# Altium PCB M5_Display - copia.PcbDoc (part 2 of 2)
Units mil, origin at the board's own origin, x right, y up, seen from the top; angles counter-clockwise.
Board outline 2972.44 x 1771.65 mil, 4 copper layers (Top Layer, PWRS, GND, Bottom Layer), stack 61.19 mil thick; 166 components, 125 nets, 480 pads, 219 vias.
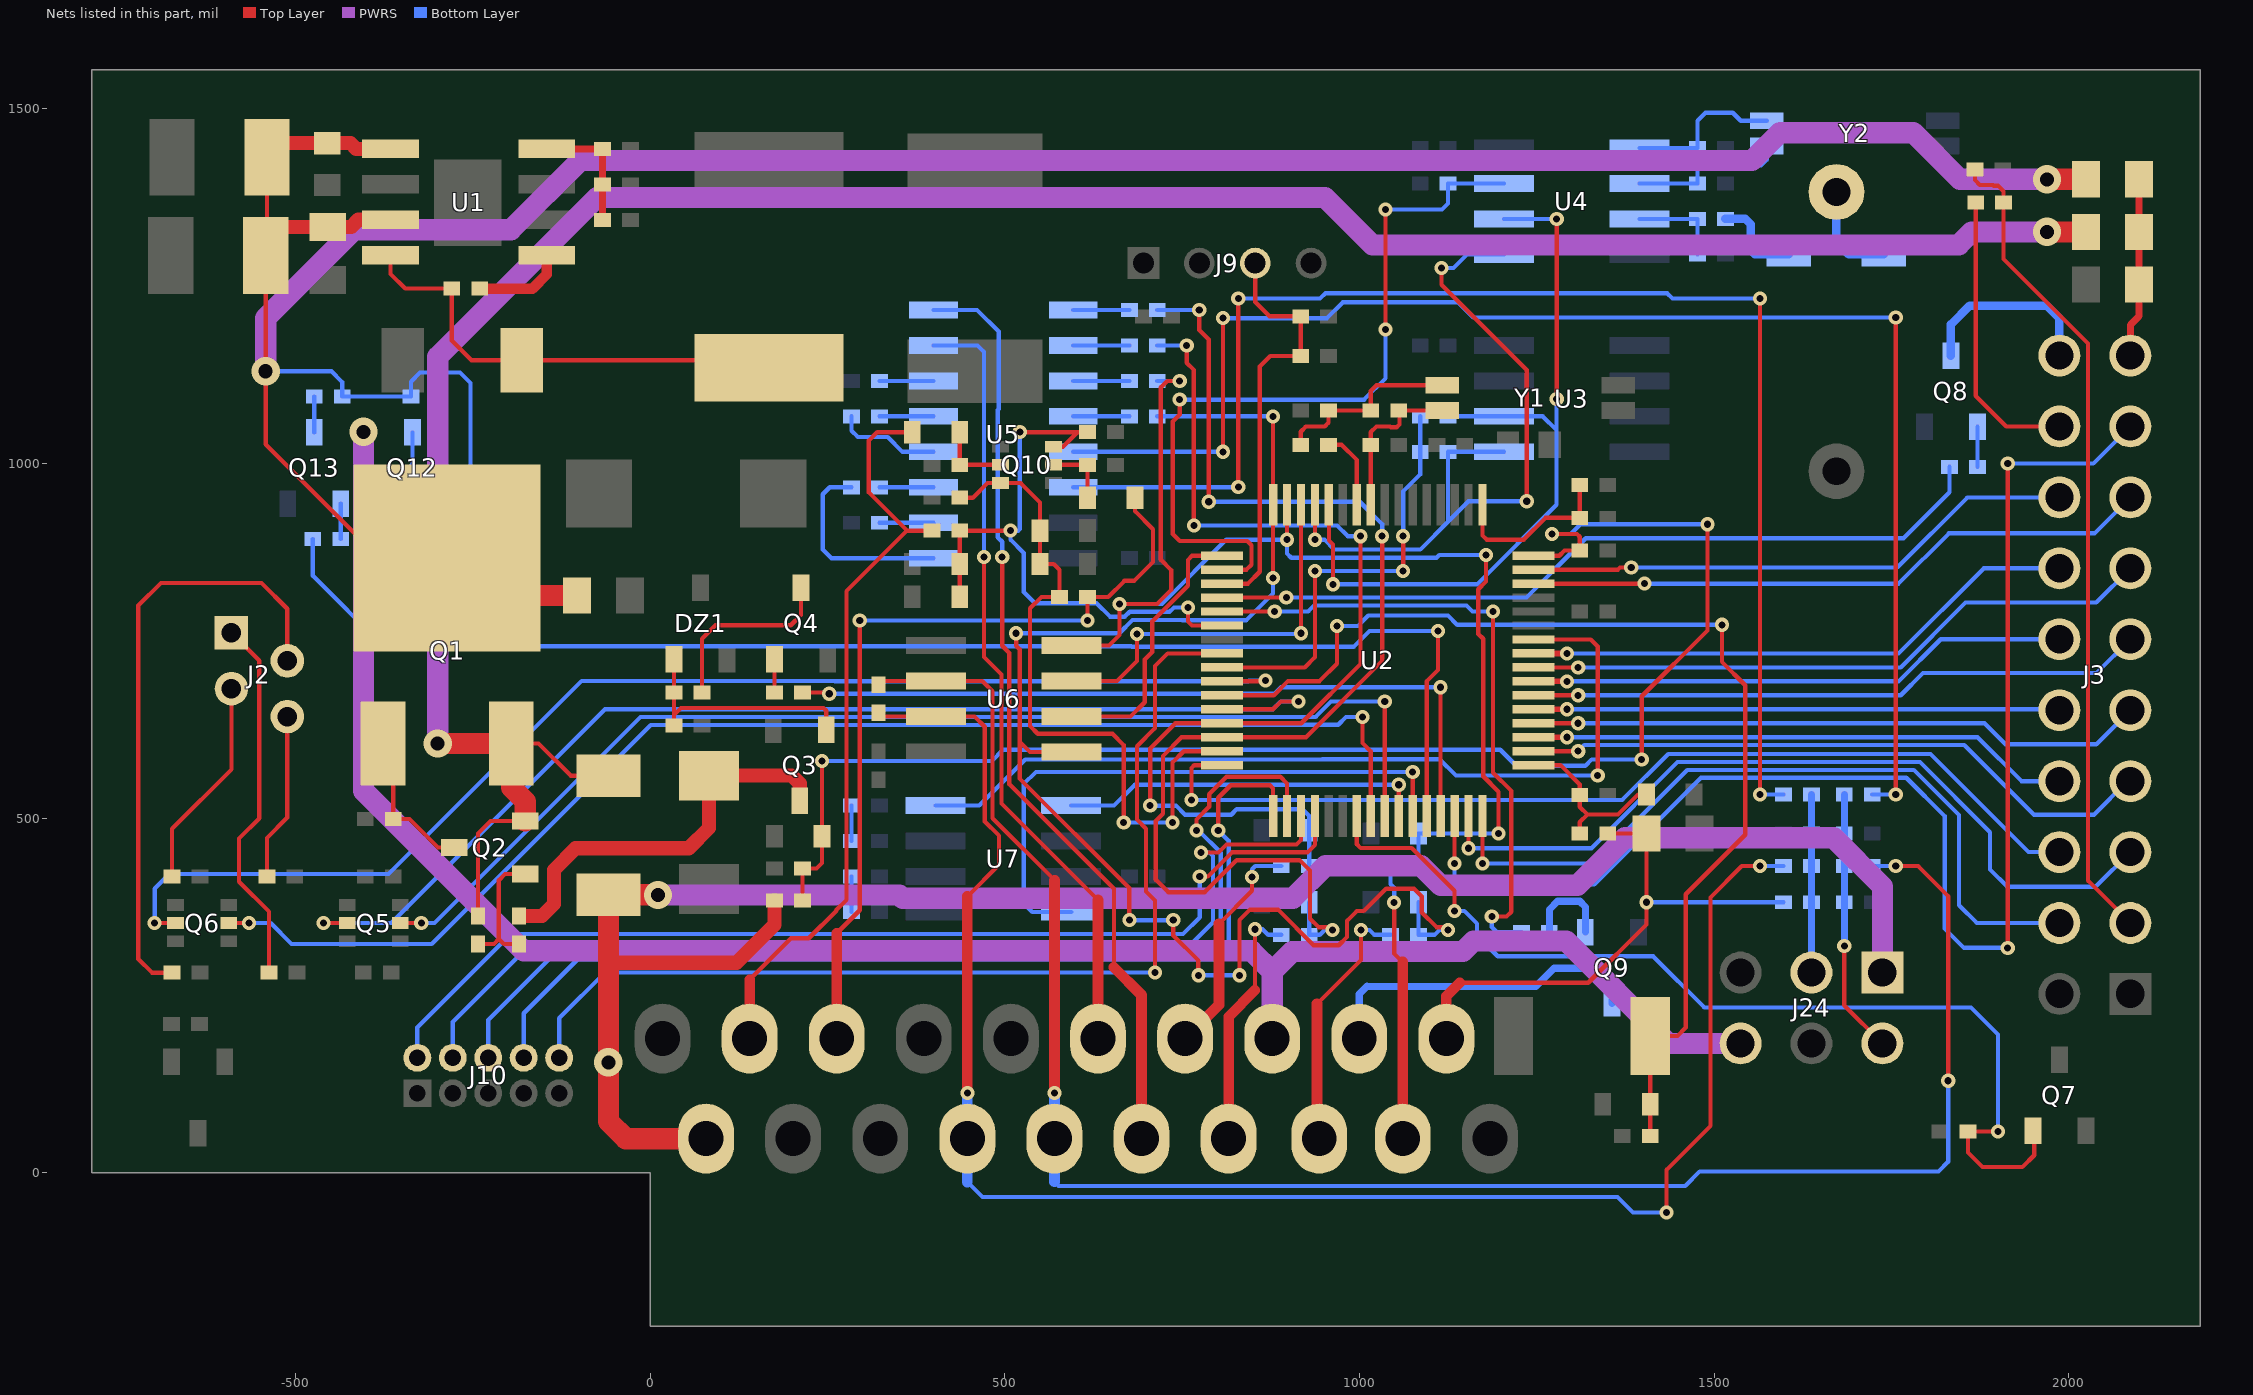
[diagram p4: the nets of this part, all layers, seen from the top]

## Via types
v1: diameter 20, hole 10, Top Layer to Bottom Layer, tented both sides, 212 vias
v2: diameter 40, hole 20, Top Layer to Bottom Layer, tented both sides, 7 vias

## Nets (pads, with @x,y where several pads share a name; then routed paths per layer and width w, separated by ;. In a path a pad name is that pad's centre, name@x,y a point inside that pad or via, vN(x,y) a via of type N, cw(c..) or ccw(c..) an arc to the next point about the centre after c; other vN are vias at no path point) (continued)
I2C_PU: R41.2 R42.2 U2.9 | length 610.6
  Top Layer w6: U2.9@806.11,712.62 922.53,712.62 937.01,727.1 v1(937.01,848.43) ; v1(1061.34,848.43) v1(1061.34,897.64)
  Bottom Layer w6: v1(937.01,848.43) v1(1061.34,848.43) ; v1(1061.34,897.64) 1061.34,960.68 1085.31,984.66 R42.2@1085.31,1016.54 R41.2@1085.31,1066.54
I2C_SCL: R41.1 U2.60 U3.6 U4.6 | length 1114.2
  Top Layer w6: U2.60@956.7,941.95 956.7,891.72 962.6,885.83 v1(962.6,829.72) ; v1(1277.81,1090.86) v1@1277.81,1344.8
  Bottom Layer w6: v1(962.6,829.72) 1165.35,829.72 1277.56,941.93 1277.56,1047.24 ; R41.1@1124.68,1066.54 U3.6@1203.39,1066.54 1258.27,1066.54 1277.56,1047.24 ; U4.6@1203.53,1344.87 v1(1277.81,1344.87) ; v1(1277.81,1090.86) 1277.56,1090.61 1277.56,1047.24
I2C_SDA: R42.1 U2.61 U3.5 U4.5 | length 1032.4
  Top Layer w6: v1@937.02,893.71 U2.61@937.02,941.95 ; v1(1115.48,1275.65) 1115.48,1252.02 1235.56,1131.94 v1(1235.56,946.91)
  Bottom Layer w6: v1(937.01,892.72) 950.36,892.72 964.14,878.94 1085.63,878.94 1124.68,917.99 ; v1(1115.48,1275.65) 1132.21,1275.65 1151.44,1294.87 U4.5@1203.53,1294.87 ; U3.5@1203.39,1016.54 R42.1@1124.68,1016.54 1124.68,917.99 ; v1(1235.56,946.91) 1153.6,946.91 1124.68,917.99
IN0: DZ7.2 J7.1 R31.1 | length 1171.3
  Top Layer w6: 262.79,337.8 295.28,370.29 v1(295.28,778.85) ; v1(616.39,778.85) 616.31,778.93 R31.1@616.31,812.01 645.67,812.01 668.31,834.65 682.09,834.65 708.74,861.3 708.74,907.41 683.24,932.9 DZ7.2@683.24,951.84
  Top Layer w15: J7.1@262.79,189.28 262.79,337.8
  Bottom Layer w6: v1(295.28,778.85) v1(616.39,778.85)
IN1: DZ6.2 J8.1 R32.1 | length 1073.4
  Top Layer w6: 140.01,272.37 198.41,330.76 223.42,330.76 262.06,369.4 262.06,370.39 276.57,384.9 276.57,820.09 361.89,905.41 ; DZ6.2@369.44,1044.18 319.77,1044.18 308.07,1032.48 308.07,959.23 361.89,905.41 ; R32.1@397,905.41 361.89,905.41
  Top Layer w15: J8.1@140.01,189.28 140.01,272.37
NetBAT1_1: BAT1.1 D7.1 | length 144.9
  Bottom Layer w12: BAT1.1@1672.24,1382.87 1672,1382.63 1672,1312.25 1689.38,1294.87 D7.1@1738.93,1294.87
NetC2_1: C2.1 U1.1 | length 129.6
  Top Layer w15: C2.1@-240.5,1246.65 -166.21,1246.65 -146.19,1266.68 U1.1@-146.19,1293.65
NetC2_2: C2.2 D2.2 L1.1 U1.8 | length 657.4
  Top Layer w6: U1.8@-366.19,1293.65 -366.19,1267.41 -345.43,1246.65 C2.2@-279.87,1246.65 -279.87,1173.57 -251.97,1145.67 D2.2@-181.1,1145.67 156.71,1145.67 L1.1@167.32,1135.06
NetC7_1: C7.1 R10.1 R11.2 U1.4 | length 178.9
  Top Layer w10: U1.4@-146.19,1443.65 R11.2@-67.28,1443.65 C7.1@-67.28,1393.65 R10.1@-67.28,1343.65
NetC9_1: C9.1 DZ4.2 R25.2 U2.33 | length 249.8
  Top Layer w6: U2.33@1245.09,574.83 1283.01,574.83 1310.31,547.52 C9.1@1310.31,532.48 1310.31,516.03 1321.11,505.23 ; R25.2@1310.31,478.35 1310.31,494.43 1321.11,505.23 ; DZ4.2@1404.53,533.46 1392.66,533.46 1364.42,505.23 1321.11,505.23
NetC10_1: C10.1 DZ6.1 Q10.2 | length 100.3
  Top Layer w6: DZ6.1@436.37,1044.18 436.37,1003.1 441.19,998.28 493.5,998.28 Q10.2@493.6,998.18
NetC11_1: C11.1 DZ7.1 Q10.5 | length 94.4
  Top Layer w6: Q10.5@568.4,998.18 616.22,998.18 C11.1@616.31,998.28 DZ7.1@616.31,951.84
NetC18_1: C18.1 R39.1 R40.1 Y1.4 | length 271.4
  Top Layer w6: R39.1@916.91,1026.46 916.91,1044.83 924.21,1052.13 950.75,1052.13 956.28,1057.66 C18.1@956.28,1074.97 R40.1@1015.76,1074.97 1015.76,1102.37 1023.79,1110.4 Y1.4@1116.58,1110.4
NetC19_1: C19.1 R40.2 U2.57 Y1.1 | length 229.6
  Top Layer w6: U2.57@1015.76,941.95 C19.1@1015.76,1026.46 1015.76,1044.26 1023.62,1052.13 1043.35,1052.13 1044.29,1051.18 1052.17,1051.18 1056.1,1055.12 1056.1,1073.99 R40.2@1055.13,1074.97 Y1.1@1116.58,1074.97
NetC21_1: C21.1 U4.1 Y2.1 | length 227.1
  Bottom Layer w6: U4.1@1394.47,1444.87 C21.1@1476.31,1444.87 1476.31,1483.2 1487.73,1494.62 1526.05,1494.62 1537.4,1483.27 Y2.1@1573.82,1483.27
NetC22_1: C22.1 U4.2 Y2.4 | length 224.2
  Bottom Layer w6: U4.2@1394.47,1394.87 C22.1@1476.31,1394.87 1476.31,1414.31 1482.28,1420.28 1565.94,1420.28 1573.82,1428.15 Y2.4@1573.82,1447.83
NetC23_1: C23.1 R44.1 U4.3 | length 131.8
  Bottom Layer w6: U4.3@1394.47,1344.87 R44.1@1476.31,1344.87 C23.1@1476.31,1294.87
NetC26_2: C26.2 U5.2 | length 76.3
  Bottom Layer w6: C26.2@323.13,916.54 U5.2@399.4,916.54
NetC27_1: C27.1 U5.4 | length 148.2
  Bottom Layer w6: C27.1@283.76,1066.54 283.76,1046.26 292.61,1037.4 334.65,1037.4 355.51,1016.54 U5.4@399.4,1016.54
NetC27_2: C27.2 U5.5 | length 76.3
  Bottom Layer w6: C27.2@323.13,1066.54 U5.5@399.4,1066.54
NetC28_1: C28.1 U5.1 | length 283.9
  Bottom Layer w6: C28.1@283.76,966.54 252.95,966.54 243.11,956.69 243.11,878.94 255.51,866.54 U5.1@399.4,866.54
NetC28_2: C28.2 U5.3 | length 76.3
  Bottom Layer w6: C28.2@323.13,966.54 U5.3@399.4,966.54
NetC29_1: C29.1 U5.6 | length 76.3
  Bottom Layer w6: C29.1@323.13,1116.54 U5.6@399.4,1116.54
NetC31_2: C31.2 R54.1 | length 50
  Bottom Layer w6: R54.1@283.76,467.94 C31.2@283.76,517.94
NetC32_2: C32.2 R55.1 | length 50
  Bottom Layer w6: C32.2@283.76,367.94 R55.1@283.76,417.94
NetC33_2: C33.2 DZ3.2 R5.1 R9.2 U2.48 | length 2118.8
  Top Layer w6: R5.1@214.57,383.86 R9.2@214.57,429.13 234.25,429.13 242.13,437.01 DZ3.2@242.13,474.41 v1(242.13,580.76) ; U2.48@1245.09,870.1 1281.52,870.1 1288.88,877.46 C33.2@1310.31,877.46 1310.31,896.75 1306.42,900.65 v1(1270.99,900.65) ; v1(1397.64,582.73) 1397.64,671.92 1490.48,764.76 v1(1490.48,914.43)
  Bottom Layer w6: v1(242.13,580.76) 481.62,580.76 497.37,596.51 1198.15,596.51 1220.79,573.87 1318.23,573.87 1327.09,582.73 v1(1397.64,582.73) ; v1(1270.99,900.65) 1297.56,900.65 1311.34,914.43 v1(1490.48,914.43)
NetD3_1: D3.1 D5.2 Q10.3 R31.2 R33.2 U2.15 | length 985.3
  Top Layer w6: R33.2@436.37,951.84 454.74,951.84 475.48,972.59 Q10.3@493.6,972.59 522.06,972.59 549.39,945.26 D5.2@549.39,905.41 D3.1@549.39,858.44 568.72,858.44 576.94,850.22 R31.2@576.94,812.01 551.45,812.01 535.43,796 535.43,629.92 546.26,619.09 651.57,619.09 667.32,603.35 v1(667.32,494.09) ; v1(736.22,494.09) 736.22,578.74 751.99,594.51 U2.15@806.11,594.51
  Bottom Layer w6: v1(667.32,494.09) v1(736.22,494.09)
NetD4_1: D4.1 D6.2 Q10.6 R30.2 R32.2 U2.6 | length 869.3
  Top Layer w6: D6.2@436.37,812.01 D4.1@436.37,858.44 R32.2@436.37,905.41 v1(507.87,905.41) ; v1(520.92,1044.6) 521.33,1044.18 602.19,1044.18 ; Q10.6@568.4,1023.77 581.78,1023.77 602.19,1044.18 ; R30.2@616.31,1044.18 602.19,1044.18 ; v1(757.87,797.24) 757.87,777.56 763.76,771.68 U2.6@806.11,771.68
  Bottom Layer w6: v1(520.92,1044.6) 520.92,907.73 518.6,905.41 v1(507.87,905.41) 507.87,892.72 526.57,874.02 526.57,818.9 542.32,803.15 628.94,803.15 647.92,784.17 668.87,784.17 675.87,791.17 732.11,791.17 738.19,797.24 v1(757.87,797.24)
NetD7_2: D7.2 R44.2 | length 131.4
  Bottom Layer w6: D7.2@1604.67,1295.28 D7.2@1605.07,1294.87
  Bottom Layer w12: R44.2@1515.68,1344.87 1543.91,1344.87 1551.18,1337.6 1551.18,1301.18 1557.09,1295.28 D7.2@1604.67,1295.28
NetDZ1_1: DZ1.1 Q3.1 R4.1 R7.2 | length 340.4
  Top Layer w6: R7.2@33.46,630.91 33.46,645.67 ; DZ1.1@33.46,724.41 R4.1@33.46,677.17 33.46,645.67 ; Q3.1@248.03,625 248.03,651.57 244.09,655.51 43.31,655.51 33.46,645.67
NetDZ2_2: DZ2.2 Q3.2 R3.1 | length 577.9
  Top Layer w20: R3.1@-185.04,362.2 -152.56,362.2 -135.83,378.94 -135.83,427.17 -105.32,457.68 54.13,457.68 82.68,486.22 DZ2.2@82.68,560.04 199.37,560.04 210.63,548.78 Q3.2@210.63,524.61
NetDZ5_2: DZ5.2 R26.1 R27.1 U2.11 | length 1599.8
  Top Layer w6: U2.11@806.11,673.25 879.09,673.25 899.06,693.22 943.35,693.22 967.96,717.83 v1(967.96,770.98) ; R26.1@1409.77,52.22 DZ5.2@1409.77,96.51 R27.1@1409.77,192.97 1448.02,192.97 1459.88,204.83 1459.88,392.82 1543.74,476.69 1543.74,687.55 1510.83,720.47 v1(1510.83,772.64)
  Bottom Layer w6: v1(967.96,770.98) 997.48,770.98 1012.25,785.74 1124.45,785.74 1137.56,772.64 v1(1510.83,772.64)
NetJ2_1: J2.1 R12.2 | length 524.6
  Top Layer w6: J2.1@-590.53,761.34 -551.18,721.99 -551.18,500 -579.72,471.46 -579.72,410.43 -537.6,368.31 R12.2@-537.6,282.28
NetJ2_2: J2.2 R13.2 | length 865.5
  Top Layer w6: R13.2@-674.21,282.28 -702.56,282.28 -721.9,301.63 -721.9,799.75 -689.96,831.69 -548.23,831.69 -511.79,795.26 J2.2@-511.79,721.97
NetJ2_3: J2.3 R14.2 | length 299.1
  Top Layer w6: R14.2@-674.21,418.11 -674.21,485.24 -590.53,568.92 J2.3@-590.53,682.6
NetJ2_4: J2.4 R15.2 | length 237
  Top Layer w6: R15.2@-540.55,418.11 -540.55,472.24 -511.79,501 J2.4@-511.79,643.23
NetJ3_4: J3.4 U2.32 | length 1098.8
  Top Layer w6: v1(1173.23,436.02) U2.32@1173.24,502.98
  Bottom Layer w6: v1(1173.23,436.02) 1329.72,436.02 1461.79,568.09 1781.32,568.09 1845.04,504.37 1845.04,377.4 1870.16,352.28 J3.4@1986.61,352.28
NetJ3_5: J3.5 U2.31 | length 1154.8
  Top Layer w6: v1(1153.54,457.68) U2.31@1153.55,502.98 U2.31@1155.24,501.29
  Bottom Layer w6: v1(1153.54,457.68) 1326.77,457.68 1448.18,579.09 1790.01,579.09 1888.78,480.32 1888.78,427.72 1912.96,403.54 2037.87,403.54 J3.5@2086.61,452.28
NetJ3_6: J3.6 U2.16 | length 1398.2
  Top Layer w6: v1(762.8,525.59) 762.8,570.87 766.76,574.83 U2.16@806.11,574.83
  Bottom Layer w6: v1(762.8,525.59) 1370.08,525.59 1435.04,590.55 1804.69,590.55 1942.96,452.28 J3.6@1986.61,452.28
NetJ3_7: J3.7 U2.34 | length 905.5
  Top Layer w6: U2.34@1245.09,594.51 v1(1308.13,594.51)
  Bottom Layer w6: v1(1308.13,594.51) 1316.82,603.2 1852.51,603.2 1950.79,504.92 2035.43,504.92 2082.8,552.28 J3.7@2086.61,552.28
NetJ3_8: J3.8 U2.35 | length 767.2
  Top Layer w8: U2.35@1245.09,614.2 v1(1292.32,614.2)
  Bottom Layer w6: v1(1292.32,614.2) 1871.04,614.2 1932.95,552.28 J3.8@1986.61,552.28
NetJ3_9: J3.9 U2.36 | length 873.6
  Top Layer w6: U2.36@1245.09,633.88 v1(1308.13,633.88)
  Bottom Layer w6: v1(1308.13,633.88) 1880.88,633.88 1910.43,604.33 2038.66,604.33 J3.9@2086.61,652.28
NetJ3_10: J3.10 U2.37 | length 742.1
  Top Layer w8: U2.37@1245.09,653.57 v1(1292.32,653.57)
  Bottom Layer w6: v1(1292.32,653.57) 1985.33,653.57 J3.10@1986.61,652.28
NetJ3_11: J3.11 U2.38 | length 874.3
  Top Layer w6: U2.38@1245.09,673.25 v1(1308.13,673.25)
  Bottom Layer w6: v1(1308.13,673.25) 1762.82,673.25 1794.29,704.72 2039.05,704.72 J3.11@2086.61,752.28
NetJ3_12: J3.12 U2.39 | length 766.1
  Top Layer w8: U2.39@1245.09,692.94 v1(1292.32,692.94)
  Bottom Layer w6: v1(1292.32,692.94) 1759.87,692.94 1819.21,752.28 J3.12@1986.61,752.28
NetJ3_13: J3.13 U2.40 | length 899.4
  Top Layer w6: U2.40@1245.09,712.62 v1(1308.13,712.62)
  Bottom Layer w6: v1(1308.13,712.62) 1762.82,712.62 1854.33,804.13 2038.46,804.13 J3.13@2086.61,852.28
NetJ3_14: J3.14 U2.41 | length 791.2
  Top Layer w8: U2.41@1245.09,732.31 v1(1292.32,732.31)
  Bottom Layer w6: v1(1292.32,732.31) 1759.87,732.31 1879.84,852.28 J3.14@1986.61,852.28
NetJ3_15: J3.15 U2.46 | length 891.9
  Top Layer w6: U2.46@1245.09,830.73 v1(1401.57,830.73)
  Bottom Layer w6: v1(1401.57,830.73) 1759.87,830.73 1830.71,901.57 2035.91,901.57 J3.15@2086.61,952.28
NetJ3_16: J3.16 U2.47 | length 783.7
  Top Layer w6: U2.47@1245.09,850.42 1364.2,850.42 1367.17,853.39 v1(1382.87,853.39)
  Bottom Layer w6: v1(1382.87,853.39) 1757.92,853.39 1856.81,952.28 J3.16@1986.61,952.28
NetJ3_17: J3.17 U2.30 | length 2001.3
  Top Layer w6: v1(1133.87,436.02) U2.30@1133.87,502.98 ; v1(1913.63,317.24) 1913.63,999.98 v1(1913.71,1000.06)
  Bottom Layer w6: v1(1133.87,436.02) 1133.87,418.3 1145.67,406.5 1330.71,406.5 1481.3,557.09 1770.67,557.09 1824.8,502.95 1824.8,344.49 1852.05,317.24 v1(1913.63,317.24) ; v1(1913.71,1000.06) 2034.39,1000.06 J3.17@2086.61,1052.28
NetJ3_19: J3.19 R21.1 R22.1 R23.1 | length 253.4
  Top Layer w10: J3.19@2086.61,1152.28 2086.61,1195.6 2098.78,1207.76 R21.1@2098.78,1252.46 R22.1@2098.78,1326.56 R23.1@2098.78,1400.65
NetJ3_20: J3.20 Q8.2 | length 267.6
  Bottom Layer w12: Q8.2@1833.6,1152.28 1833.6,1196.06 1860,1222.46 1969,1222.46 1986.61,1204.85 J3.20@1986.61,1152.28
NetJ5_1: J5.1 R25.1 R28.2 R66.2 | length 760
  Top Layer w6: 1141.19,268.02 1322.29,268.02 1404.53,350.26 v1(1404.53,381.53) R28.2@1404.53,478.35 R25.1@1349.68,478.35
  Top Layer w15: J5.1@1122.29,189.28 1122.29,249.12 1141.19,268.02
  Bottom Layer w6: v1(1404.53,381.53) R66.2@1597.67,381.53
NetJ6_1: J6.1 Q9.2 | length 476.2
  Bottom Layer w6: 1010.28,263.1 1010.53,262.85
  Bottom Layer w10: J6.1@999.45,189.28 999.45,252.28 1010.28,263.1 ; 1010.53,262.85 1248.35,262.85 1273.94,288.44 1342.84,288.44 1355.63,275.65 Q9.2@1355.63,239.07
NetQ1_1: Q1.1 Q2.2 R8.2 | length 214.9
  Top Layer w6: Q1.1@-376.97,605.32 -362.4,590.75 R8.2@-362.4,499.02 -339.57,499.02 -299.21,458.66 Q2.2@-276.57,458.66
NetQ2_1: Q2.1 R2.1 R3.2 | length 187.5
  Top Layer w6: R2.1@-243.11,322.83 -220.47,322.83 -213.58,329.72 ; R3.2@-185.04,322.83 -206.69,322.83 -213.58,329.72 ; Q2.1@-176.18,421.26 -204.72,421.26 -213.58,412.4 -213.58,329.72
NetQ4_1: Q4.1 R6.2 | length 47.2
  Top Layer w6: R6.2@175.2,677.17 Q4.1@175.2,724.41
NetQ4_2: Q4.2 R4.2 | length 267.8
  Top Layer w6: R4.2@72.83,677.17 72.83,753.01 91.78,771.96 198.08,771.96 212.6,786.48 Q4.2@212.6,824.8
NetQ5_2: Q5.2 U2.12 | length 1649.1
  Top Layer w6: v1(-460.63,352.17) Q5.2@-427.36,352.17 ; U2.12@806.11,653.57 877.92,653.57 889.03,664.68 v1(913.63,664.68)
  Bottom Layer w6: v1(-460.63,352.17) -365.35,352.17 -63.95,653.57 877.78,653.57 888.89,664.68 v1(913.63,664.68)
NetQ5_5: Q5.5 U2.25 | length 1678.8
  Top Layer w6: Q5.5@-352.56,352.17 v1(-322.83,352.17) ; U2.25@1035.44,502.98 v1(1035.43,664.43)
  Bottom Layer w6: v1(-322.83,352.17) -304.33,352.17 -13.93,642.57 882.34,642.57 882.49,642.72 937.99,642.72 959.7,664.43 v1(1035.43,664.43)
NetQ6_2: Q6.2 U2.10 | length 1827.9
  Top Layer w6: v1(-698.82,352.17) Q6.2@-669.29,352.17 ; U2.10@806.11,692.94 866.43,692.94 v1(867.45,693.95)
  Bottom Layer w6: v1(-698.82,352.17) -698.82,400.59 -678.15,421.26 -369.09,421.26 -96.85,693.5 259.67,693.5 260.21,692.97 842.84,692.97 843.82,693.95 v1(867.45,693.95)
NetQ6_5: Q6.5 U2.24 | length 1887.8
  Top Layer w6: Q6.5@-594.49,352.17 v1(-565.94,352.17) ; v1(1003.94,642.77) 1003.94,606.06 1015.76,594.24 U2.24@1015.76,502.98
  Bottom Layer w6: v1(-565.94,352.17) -535.24,352.17 -505.91,322.83 -308.07,322.83 0.66,631.57 886.9,631.57 887.05,631.72 969.81,631.72 980.86,642.77 v1(1003.94,642.77)
NetQ7_1: Q7.1 R20.1 U2.23 | length 1434
  Top Layer w6: U2.23@996.07,502.98 996.07,463.34 1001.42,457.98 1073.51,457.98 1133.87,397.63 v1(1133.87,369.09) ; v1(1900.04,58.38) 1899.96,58.46 R20.1@1857.68,58.46 1857.68,28.7 1878.2,8.18 1934.3,8.18 1951.04,24.91 1951.04,57.45 Q7.1@1949.21,59.27
  Bottom Layer w6: v1(1133.87,369.09) 1147.64,369.09 1165.35,351.38 1165.35,334.76 1194.69,305.43 1413.82,305.43 1485.98,233.27 1861.97,233.27 1900.04,195.19 v1(1900.04,58.38)
NetQ8_1: Q8.1 R24.1 | length 56.4
  Bottom Layer w6: R24.1@1871,995.46 Q8.1@1871,1051.89
NetQ9_1: Q9.1 R29.1 | length 126.4
  Bottom Layer w10: R29.1@1267.47,339.46 1267.47,371.54 1278.86,382.93 1310.36,382.93 1318.23,375.06 Q9.1@1318.23,339.46
NetQ12_1: Q12.1 R57.1 | length 151
  Bottom Layer w6: Q12.1@-298.02,943.57 R57.1@-298.02,1094.57
NetQ13_1: Q13.1 R62.1 | length 50
  Bottom Layer w6: R62.1@-436.43,893.57 Q13.1@-436.43,943.57
NetQ13_2: Q13.2 R60.1 | length 50.6
  Bottom Layer w6: Q13.2@-473.83,1043.96 R60.1@-473.83,1094.57
NetR6_1: R6.1 U2.29 | length 1085.8
  Top Layer w6: R6.1@214.57,677.17 250.56,677.17 v1(252.22,675.5) ; U2.29@1114.18,502.98 v1(1114.18,684.68)
  Bottom Layer w6: v1(252.22,675.5) 252.28,675.57 879.98,675.57 889.09,684.68 v1(1114.18,684.68)
NetR24_2: R24.2 U2.4 | length 1122.9
  Top Layer w6: U2.4@806.11,811.05 v1(896.65,811.05)
  Bottom Layer w6: v1(896.65,811.05) 1235.26,811.05 1318.9,894.68 1766.73,894.68 1831.63,959.58 R24.2@1831.63,995.46
NetR29_2: R29.2 U2.5 | length 901.7
  Top Layer w6: U2.5@806.11,791.36 v1(880.24,791.43) v1(880.24,791.43) ; v1(1186.34,361.28) 1207.01,361.28 1213.9,368.17 1213.9,538.26 1187.99,564.17 v1@1187.99,785.81
  Bottom Layer w6: v1(880.24,791.43) 927.39,791.43 936,800.05 1150.5,800.05 1159.15,791.39 1182.33,791.39 v1@1182.37,791.43 ; v1(1186.34,361.28) 1186.34,346.51 1193.39,339.46 R29.2@1228.1,339.46
  other v1: 1187.99,791.39
NetR36_1: R36.1 R37.2 U2.49 | length 241.6
  Top Layer w6: U2.49@1173.24,941.95 1173.24,898.61 1179.13,892.72 1231.3,892.72 1262.06,923.48 R37.2@1310.31,923.48 R36.1@1310.31,969.49
NetR39_2: R39.2 U2.58 | length 111.7
  Top Layer w6: R39.2@956.28,1026.46 974.52,1026.46 996.07,1004.91 U2.58@996.07,941.95
NetR45_2: R45.2 U5.12 | length 79.1
  Bottom Layer w6: U5.12@596.25,1066.54 R45.2@675.4,1066.54
NetR47_1: R47.1 U5.11 | length 79.1
  Bottom Layer w6: U5.11@596.25,1116.54 R47.1@675.4,1116.54
NetR48_2: R48.2 U5.10 | length 79.1
  Bottom Layer w6: U5.10@596.25,1166.54 R48.2@675.4,1166.54
NetR49_2: R49.2 U5.9 | length 79.1
  Bottom Layer w6: U5.9@596.25,1216.54 R49.2@675.4,1216.54
NetR62_2: R62.2 U2.28 | length 1955.9
  Top Layer w6: U2.28@1094.5,502.98 1094.5,692.98 1110.48,708.97 v1(1110.48,763.83)
  Bottom Layer w6: R62.2@-475.8,893.57 -475.8,841.94 -376.16,742.3 678.18,742.3 678.6,741.88 991.88,741.88 1013.83,763.83 v1(1110.48,763.83)
NetU2_1: U2.1 U6.2 | length 388.3
  Top Layer w6: U6.2@593.5,643.5 676.97,643.5 697.06,663.59 697.06,723.63 707.68,734.25 707.68,777.56 757.87,827.76 757.87,864.17 763.8,870.1 U2.1@806.11,870.1
NetU2_26: U2.26 U7.1 | length 518.2
  Top Layer w6: U2.26@1055.13,502.98 v1(1055.13,547.24)
  Bottom Layer w6: U7.1@593.3,517.94 653.77,517.94 683.07,547.24 v1(1055.13,547.24)
NetU2_27: U2.27 U7.4 | length 857.6
  Top Layer w6: U2.27@1074.81,502.98 v1(1074.8,564.96)
  Bottom Layer w6: U7.4@593.3,367.94 538.55,367.94 526.35,380.15 526.35,548 543.59,565.24 1074.52,565.24 v1(1074.8,564.96)
NetU2_42: U2.42 U7.8 | length 1246.3
  Top Layer w6: U2.42@1245.09,751.99 1325.76,751.99 1335.63,742.13 v1(1335.63,560.09)
  Bottom Layer w6: U7.8@402.35,517.94 463.81,517.94 528.54,582.68 946.85,582.68 947.13,582.96 1112.91,582.96 1135.77,560.09 v1(1335.63,560.09)
NetU2_62: U2.62 U6.3 | length 555.3
  Top Layer w6: U6.3@593.5,693.5 658.07,693.5 686.06,721.49 v1(686.06,759.88) ; v1@917.33,760.83 U2.62@917.33,941.95
  Bottom Layer w6: v1(686.06,759.88) 916.38,759.88 v1(917.32,760.83)
RESET: C16.1 J9.3 R35.1 U2.3 | length 596.7
  Top Layer w6: U2.3@806.11,830.73 842.54,830.73 859.25,847.44 859.25,1136.87 874.03,1151.65 C16.1@916.91,1151.65 R35.1@916.91,1207.65 872.8,1207.65 852.77,1227.67 J9.3@852.77,1282.65
RS485_A: J11.1 R46.2 R56.2 U6.6 | length 2672.3
  Top Layer w6: R46.2@321.85,687.99 327.36,693.5 U6.6@402.56,693.5 467.91,693.5 482.46,678.96 482.46,499.93 569.72,412.66 ; v1(1755.88,432.46) 1787.4,432.46 1829.72,390.14 v1(1829.72,129.92)
  Top Layer w15: v1@569.72,112.51 569.72,412.66
  Bottom Layer w6: 569.72,-12.64 575.48,-18.39 1458.97,-18.39 1479.33,1.97 1816.08,1.97 1829.72,15.62 v1(1829.72,129.92) ; J11.1@569.72,48.28 J11.1@569.88,48.44 ; R56.2@1722.69,432.49 v1@1755.85,432.49
  Bottom Layer w15: 569.72,-12.64 J11.1@569.72,48.28 ; J11.1@569.88,48.44 v1(569.88,112.51)
RS485_B: J12.1 R46.1 R63.2 U6.7 | length 2420.8
  Top Layer w6: R46.1@321.85,648.62 326.97,643.5 U6.7@402.56,643.5 456.89,643.5 471.46,628.94 471.46,495.37 491.43,475.4 491.43,434.34 446.95,389.86 ; v1(1432.52,-55.8) 1432.52,4.24 1494.53,66.25 1494.53,388.23 1538.81,432.51 v1(1564.48,432.51)
  Top Layer w15: v1(446.95,112.51) 446.95,389.86
  Bottom Layer w6: 446.95,-12.89 468.2,-34.14 1363.63,-34.14 1385.28,-55.8 v1(1432.52,-55.8) ; v1(1564.48,432.51) R63.2@1597.67,432.49
  Bottom Layer w15: 446.95,-12.89 J12.1@446.95,48.28 v1(446.95,112.51)
RTC_MFP: R43.1 U2.2 U4.7 | length 1122.2
  Top Layer w6: v1(746.31,1090.12) 746.31,1069.2 736.47,1059.36 736.47,900.59 746.31,890.75 841.54,890.75 847.44,884.84 847.44,857.28 840.57,850.42 U2.2@806.11,850.42 ; v1(1036.42,1188.98) v1(1036.42,1358.27)
  Bottom Layer w6: v1(746.31,1090.12) 1006.4,1090.12 1036.42,1120.14 v1(1036.42,1188.98) ; v1(1036.42,1358.27) 1116.14,1358.27 1124.68,1366.81 R43.1@1124.68,1394.87 U4.7@1203.53,1394.87
RXD0_232: R59.2 U5.13 | length 2072
  Top Layer w6: v1(807.33,1016.54) v1(807.33,1205.03) ; v1(1755.88,533.44) v1(1755.88,1206.02)
  Bottom Layer w6: U5.13@596.25,1016.54 v1(807.33,1016.54) ; v1(807.33,1205.03) 953.99,1205.03 976.37,1227.42 1138.72,1227.42 1160.13,1206.02 v1(1755.88,1206.02) ; R59.2@1722.69,533.46 v1@1755.85,533.46
RXD1_232: J16.1 U5.8 | length 1326.6
  Top Layer w6: v1(496.06,868.11) 496.06,743.11 506.08,733.09 506.08,548.06 653.54,400.59 653.54,289.66
  Top Layer w15: 653.54,289.66 692.5,250.7 J16.1@692.5,48.28
  Bottom Layer w6: U5.8@399.4,1216.54 460.63,1216.54 491.14,1186.02 491.14,1076.77 489.87,1075.5 489.87,895.95 496.06,889.76 v1(496.06,868.11)
RXD485_EXT: J18.1 R51.1 | length 369.6
  Top Layer w6: 939.96,238.19 1001.97,300.2 v1(1001.97,342.52) v1@1001.97,346.46
  Top Layer w15: 939.96,238.19 939.96,51.38 J18.1@943.06,48.28
  Bottom Layer w6: v1(1001.97,342.52) 1013.78,342.52 1020.77,335.53 R51.1@1043.5,335.53
RXD_485: DZ8.2 R45.1 R51.2 U2.64 U6.1 | length 2131
  Top Layer w6: v1(515.75,760.83) 515.75,743.11 520.67,738.19 520.67,608.27 ; U6.1@593.5,593.5 535.43,593.5 520.67,608.27 ; v1@675.2,356.3 675.2,401.57 520.67,556.1 520.67,608.27 ; v1(737.2,356.3) 737.2,334.65 772.64,299.21 v1(772.64,278.54) ; v1(830.71,278.54) 830.71,356.3 845.47,371.06 884.84,371.06 935.04,320.87 970.47,320.87 982.28,332.68 982.28,355.32 996.06,369.09 1005.91,369.09 1037.4,400.59 1076.77,400.59 1087.6,389.76 1087.6,367.13 1108.27,346.46 v1@1124.39,346.46 ; v1(877.95,838.58) U2.64@877.96,941.95 v1(877.95,1066.54)
  Bottom Layer w6: v1(515.75,760.83) 661.09,760.83 679.79,779.53 750.13,779.53 750.42,779.24 840.27,779.24 877.95,816.93 v1(877.95,838.58) ; v1(675.4,356.3) v1(737.2,356.3) ; R45.1@714.77,1066.54 v1(877.95,1066.54) ; v1(772.64,278.54) v1(830.71,278.54) ; DZ8.2@1082.87,381.53 R51.2@1082.87,335.53 1105.59,335.53 1112.58,342.52 v1(1124.39,342.52)
RXD_EXT: J20.1 R53.1 | length 355
  Top Layer w6: 852.36,257.36 v1(852.36,343.5) v1@852.36,347.44
  Top Layer w15: J20.1@815.28,48.28 815.28,220.27 852.36,257.36
  Bottom Layer w6: v1(852.36,343.5) 863.19,343.5 871.17,335.53 R53.1@889.5,335.53
RXD_TTL1: DZ10.2 R49.1 R53.2 U2.14 | length 1756.2
  Top Layer w6: v1@773.87,1215.86 773.87,1188.3 787.33,1174.83 v1(787.33,946.17) ; v1@961.61,346.46 941.93,346.46 930.12,358.27 930.12,426.18 915.39,440.91 826.73,440.91 781.5,395.67 730.31,395.67 712.6,413.39 712.6,496.06 722.72,506.19 722.72,587.88 749.04,614.2 U2.14@806.11,614.2 924.5,614.2 1031.74,721.44 v1@1031.74,890.07
  Bottom Layer w6: R49.1@714.77,1216.54 v1(773.87,1216.54) ; v1(787.33,946.17) 1000.25,946.17 1031.74,914.68 v1(1031.74,897.64) ; DZ10.2@928.87,381.53 R53.2@928.87,335.53 943.8,335.53 950.79,342.52 v1(961.61,342.52)
SERIE_A: J24.2 R56.1 R58.1 R59.1 R61.1 | length 373.3
  Top Layer w6: v1(1683.32,319.88) 1683.32,236.18 J24.2@1737.04,182.46
  Bottom Layer w10: v1(1683.32,319.88) R61.1@1683.32,381.53 R56.1@1683.32,432.49 R58.1@1683.32,478.46 R59.1@1683.32,533.46
SERIE_B: J24.3 R63.1 R64.1 R65.1 R66.1 | length 251
  Bottom Layer w10: J24.3@1637.04,282.46 R66.1@1637.04,381.53 R63.1@1637.04,432.49 R64.1@1637.04,478.46 R65.1@1637.04,533.46
SPI_FLASH_CS: J10.8 U2.17 | length 1439.8
  Top Layer w6: v1(800.63,482.88) 800.63,528.85 818.35,546.57 873.47,546.57 877.96,542.08 U2.17@877.96,502.98
  Bottom Layer w6: J10.8@-178.51,162.28 -178.51,225.03 -102.31,301.24 802.22,301.24 815.31,314.32 815.31,468.21 v1(800.63,482.88)
SPI_FLASH_MISO: J10.6 U2.18 | length 1527.3
  Top Layer w6: v1(770.12,482.88) 770.12,498.34 787.84,516.06 787.84,533.77 812.45,558.38 888.23,558.38 897.65,548.97 U2.18@897.65,502.98
  Bottom Layer w6: J10.6@-228.51,162.28 -228.51,215.39 -130.85,313.05 782.54,313.05 804.31,334.82 804.31,451.46 772.89,482.88 v1(770.12,482.88)
SPI_FLASH_MOSI: J10.4 U2.19 | length 1474.4
  Top Layer w6: v1(776.57,451.77) 801.18,451.77 812.31,462.91 910.87,462.91 917.33,469.37 U2.19@917.33,502.98
  Bottom Layer w6: J10.4@-278.51,162.28 -278.51,212.63 -169.24,321.91 -137.55,321.91 -134.6,324.86 764.82,324.86 793.31,353.35 793.31,446.85 788.39,451.77 v1(776.57,451.77)
SPI_FLASH_SCK: J10.2 U2.20 | length 1489.2
  Top Layer w6: v1(774.61,417.94) 786.06,417.94 820.02,451.91 926.45,451.91 937.02,462.48 U2.20@937.02,502.98
  Bottom Layer w6: J10.2@-328.51,162.28 -328.51,204.96 -196.8,336.67 751.04,336.67 774.61,360.24 v1(774.61,417.94)
SPI_ISR: J10.10 U2.8 | length 1478.6
  Top Layer w6: v1@711.61,281.55 v1(711.61,282.54) 711.61,383.86 698.82,396.65 698.82,485.24 686.02,498.03 686.02,601.38 711.61,626.97 711.61,714.57 729.35,732.31 U2.8@806.11,732.31
  Bottom Layer w6: J10.10@-128.51,162.28 -128.51,217.95 -63.92,282.54 v1(711.61,282.54)
TXD0_232: R65.2 U5.14 | length 1972.6
  Top Layer w6: v1(828.99,966.84) v1(828.99,1232.59) ; v1(1564.48,533.49) v1(1564.48,1232.59)
  Bottom Layer w6: U5.14@596.25,966.54 v1@828.99,966.54 ; v1(828.99,1232.59) 944.15,1232.59 951.77,1240.21 1433.57,1240.21 1441.19,1232.59 v1(1564.48,1232.59) ; v1(1564.48,533.49) R65.2@1597.67,533.46
TXD1_232: J14.1 U5.7 | length 1109.6
  Top Layer w6: v1(470.47,868.11) 470.47,727.36 495.08,702.76 495.08,520.86 631.16,384.78
  Top Layer w15: J14.1@631.16,189.28 631.16,384.78
  Bottom Layer w6: U5.7@399.4,1166.54 461.42,1166.54 470.47,1157.48 v1(470.47,868.11)
TXD485_EXT: J17.1 R50.1 | length 391.4
  Top Layer w6: v1@1048.67,385.15 v1(1048.67,381.21) 1048.67,309.36 1060.84,297.19
  Top Layer w15: J17.1@1060.84,48.28 1060.84,297.19
  Bottom Layer w6: R50.1@1043.5,432.49 1043.5,407.05 1048.67,401.88 ; v1(1048.67,381.21) 1048.67,397.94
TXD_485: DZ9.2 R47.2 R50.2 U2.63 U6.4 | length 1747.8
  Top Layer w6: U6.4@593.5,743.5 646.65,743.5 661.42,758.27 v1(661.42,802.17) 714.57,802.17 734.25,821.85 734.25,849.96 719.74,864.48 719.74,1107.59 728.68,1116.54 v1(746.31,1116.54) ; v1(897.64,892.72) U2.63@897.65,941.95 ; v1(1178.15,871.06) 1178.15,833.66 1167.32,822.83 1167.32,759.84 1174.21,752.95 1174.21,559.06 1195.87,537.4 v1(1195.87,478.35)
  Bottom Layer w6: v1(661.42,802.17) 721.46,802.17 812.01,892.72 v1(897.64,892.72) 897.64,873.03 903.54,867.13 1108.27,867.13 1112.2,871.06 v1(1178.15,871.06) ; R47.2@714.77,1116.54 v1(746.31,1116.54) ; R50.2@1082.87,432.49 DZ9.2@1082.87,478.46 1195.75,478.46 v1(1195.87,478.35)
TXD_EXT: J19.1 R52.1 | length 320.8
  Top Layer w6: 801.75,350.97 848.43,397.64 v1(848.43,417.32)
  Top Layer w15: J19.1@753.92,189.28 801.75,237.12 801.75,350.97
  Bottom Layer w6: v1(848.43,417.32) 848.43,427.96 852.95,432.49 R52.1@889.5,432.49
TXD_TTL1: DZ11.2 R48.1 R52.2 U2.13 | length 1459.4
  Top Layer w6: v1(704.72,517.72) 704.72,598.43 740.18,633.88 U2.13@806.11,633.88 917.61,633.88 1001.23,717.5 v1(1001.23,897.64) ; v1(756.15,1166.54) 756.15,1142.04 766.31,1131.88 v1@766.31,913.02 ; v1@766,912.71 v1@766.31,913.02 ; v1(766.31,912.71) v1@766.31,913.02
  Bottom Layer w6: v1(704.72,517.72) 741.14,517.72 753.94,504.92 818.9,504.92 826.77,512.8 919.29,512.8 928.87,503.22 DZ11.2@928.87,482.88 R52.2@928.87,432.49 ; R48.1@714.77,1166.54 v1(756.15,1166.54) ; v1@762.06,912.71 v1(766.31,912.71) 968.2,912.71 983.27,897.64 v1(1001.23,897.64)
VCC_CAN: J24.6 J25.1 Q12.2 | length 2890.4
  PWRS w30: v2(-404.28,1044.6) -404.28,538.69 -178.58,312.99 847.44,312.99 876.71,283.72 ; J25.1@876.71,189.28 876.71,283.72 ; J24.6@1537.04,182.46 1435.65,182.46 1291.34,326.77 1160.43,326.77 1145.67,312.01 905,312.01 876.71,283.72
  Bottom Layer w6: v2(-404.28,1044.6) -404.28,1000.31 -394.44,990.46 -344.24,990.46 -335.43,999.28 Q12.2@-335.43,1043.96
VEE: J3.18 R19.1 | length 408.8
  Top Layer w6: R19.1@1868.45,1368.25 1868.45,1095.51 1911.67,1052.28 J3.18@1986.61,1052.28
VIN: D1.1 J1.1 J24.1 R5.2 | length 2765.1
  Top Layer w10: v2@10.63,391.93 v2(10.83,391.73)
  Top Layer w15: -59.06,300.25 -54.94,296.13
  Top Layer w20: -54.94,296.13 121.46,296.13 175.2,349.88 R5.2@175.2,383.86
  Top Layer w30: v2@10.63,391.93 D1.1@-59.06,391.93 -59.06,300.25 v2(-59.06,155.82) -59.06,72.59 -34.74,48.28 J1.1@78.61,48.28
  PWRS w30: v2(10.83,391.73) 351.38,391.73 355.79,387.32 906.02,387.32 951.77,433.07 1086.61,433.07 1114.17,405.51 1307.09,405.51 1374.02,472.44 1668.31,472.44 1737.04,403.71 J24.1@1737.04,282.46
VIN_EXT: D1.2 Q1.3 Q2.3 R2.2 R22.2 | length 3564.7
  Top Layer w6: R2.2@-243.11,362.2 -243.11,478.35 -225.39,496.06 Q2.3@-176.18,496.06 ; Q1.3@-195.87,605.32 -157.48,605.32 -112.2,560.04 D1.2@-59.06,560.04
  Top Layer w30: v2(-299.88,605.32) Q1.3@-195.87,605.32 -195.87,543.31 -176.18,523.62 Q2.3@-176.18,496.06 ; v2(1969.03,1326.56) R22.2@2023.97,1326.56
  PWRS w30: v2(-299.88,605.32) -299.88,1150.39 -75.27,1375 951.16,1375 1018.09,1308.07 1844.49,1308.07 1862.97,1326.56 v2(1969.03,1326.56)
VIN_PROT: C3.1 C4.1 C5.1 C6.1 Q1.2 Q12.3 R1.1 R23.2 R57.2 R60.2 U1.5 U1.7 | length 4773.6
  Top Layer w6: C3.1@-542.32,1293.31 v2(-542.32,1130.23) -542.32,1027.13 -382.32,867.13 Q1.2@-286.42,867.13 ; C3.1@-540.35,1319.94 C4.1@-540.35,1432.09 ; U1.7@-367.02,1344.49 U1.7@-366.19,1343.65
  Top Layer w20: C3.1@-540.35,1319.94 -526.63,1333.66 C5.1@-454.72,1333.66 -421.73,1333.66 -411.73,1343.65 U1.7@-366.19,1343.65 ; C4.1@-540.35,1432.09 -520.67,1451.77 C6.1@-455.71,1451.77 -422.6,1451.77 -414.48,1443.65 U1.5@-366.19,1443.65
  Top Layer w30: Q1.2@-286.42,867.13 -233.27,813.98 R1.1@-103.35,813.98 ; v2(1969.03,1400.65) R23.2@2023.97,1400.65
  PWRS w30: v2(-542.32,1130.23) -542.32,1204.78 -417.32,1329.78 -196.28,1329.78 -98.89,1427.17 1553.15,1427.17 1592.52,1466.54 1780.62,1466.54 1846.51,1400.65 v2(1969.03,1400.65)
  Bottom Layer w6: v2(-542.32,1130.23) -449.56,1130.23 -434.46,1115.13 R60.2@-434.46,1094.57 R57.2@-337.39,1094.57 -337.39,1115.42 -324.56,1128.26 -268.45,1128.26 -253.69,1113.5 -253.69,907.79 -268.45,893.02 -358.02,893.02 -372.83,907.83 Q12.3@-372.83,943.57
VR: J3.3 R18.1 R19.2 | length 1167.2
  Top Layer w6: R18.1@1867.45,1414.25 1867.45,1399.66 1874.34,1392.77 1893.04,1392.77 1894.02,1391.79 1899.93,1391.79 1907.82,1383.89 R19.2@1907.82,1368.25 1907.82,1288.42 2026.89,1169.35 2026.89,412 J3.3@2086.61,352.28
pads on no net: DZ1.3 J10.3 J10.5 J10.7 J24.5 U1.2 U2.7 U7.5 Y1.2 Y1.3 Y2.2 Y2.3

## Polygon pours and split planes (outlines as drawn)
GND on Bottom Layer "GND_BOT" (solid, remove dead copper, pour order 1027): -737.4,1505.12 2135.04,1505.12 2135.04,-166.54 25,-166.54 25,24.61 -737.4,24.61
+5V on PWRS "+5V" (solid, remove dead copper, pour order 1022): -108.27,1441.93 1200.79,1441.93 1200.79,1112.2 1917.32,1112.2 1917.32,9.84 1250,9.84 1250,406.5 -108.27,406.5 -108.27,442.91
VIN_EXT on Top Layer "VIN_EXT" (solid, remove dead copper, pour order 1004): -269.69,669.29 -118.11,669.29 -118.11,600.39 0,600.39 0,478.35 -204.72,478.35 -204.72,538.39 -269.69,538.39
+5V on Top Layer "5V" (solid, remove dead copper, pour order 1020): 29.53,1476.38 570.87,1476.38 570.87,1328.74 295.28,1328.74 295.28,1250 29.53,1250
VIN_PROT on Top Layer "VIN_PROT" (solid, remove dead copper, pour order 1010): -137.8,728.35 -137.8,777.56 -78.74,777.56 -78.74,856.3 -137.8,856.3 -137.8,1013.78 -501.97,1013.78 -501.97,1496.06 -580.71,1496.06 -580.71,875.98 -433.07,875.98 -433.07,728.35
NetC2_1 on Top Layer "C2_1" (solid, remove dead copper, pour order 1012): -255.91,1269.68 -255.91,1230.32 -98.43,1230.32 -98.43,1309.06 -196.85,1309.06 -196.85,1269.68
NetC2_2 on Top Layer "C2_2" (solid, remove dead copper, pour order 1018): -413.39,1318.9 -413.39,1230.32 -305.12,1230.32 -305.12,1082.68 285.43,1082.68 285.43,1190.94 -265.75,1190.94 -265.75,1279.53 -314.96,1279.53 -314.96,1318.9
GND on Top Layer "GND_TOP" (solid, remove dead copper, pour order 1025): -737.4,1505.12 2135.04,1505.12 2135.04,-166.54 25,-166.54 25,24.61 -737.4,24.61
GND on GND (split plane): 171 vertices, not listed, extent -767.3,-196.44 2164.94,1535.02

## Keep-outs
Keep-Out Layer:
  lines w5: -737.4,24.61 -737.4,1505.12 2135.04,1505.12 2135.04,-166.54 25,-166.54 25,24.61 -737.4,24.61

## Other copper
Top Layer:
  pour cut-out: -414.67,1463.64 -414.67,1325.84 -306.4,1325.84 -306.4,1296.32 -207.98,1296.32 -207.98,1316 -99.71,1316 -99.71,1463.64 -188.29,1463.64 -188.29,1434.11 -316.24,1434.11 -316.24,1463.64
  pour cut-out: 19.68,1338.58 19.68,1240.16 305.12,1240.16 305.12,1318.9 344.49,1318.9 344.49,1200.79 0,1200.79 0,1338.58
  pour cut-out: 2047.24,1437.01 2047.24,1200.79 2086.61,1200.79 2086.61,1437.01
  pour cut-out: 78.74,246.06 1181.1,246.06 1181.1,118.11 1250,118.11 1250,-196.85 29.53,-196.85 29.53,108.27 78.74,108.27
Bottom Layer:
  pour cut-out: 78.74,246.06 1181.1,246.06 1181.1,118.11 1250,118.11 1250,-196.85 29.53,-196.85 29.53,108.27 78.74,108.27
Multi-Layer:
  pour cut-out: 1936.61,202.28 2036.61,200.28 2036.61,302.28 2136.61,302.28 2136.61,1200.71 2136.61,1202.28 2135.04,1202.28 1936.61,1202.28

## Silkscreen, mask and mechanical layers (free items; w line width, h text height)
Top Overlay:
  lines w5: 234.25,696.85 275.85,696.85 281.82,702.81 281.82,751.04 289.69,758.91 308.39,758.91 312.33,762.85 312.33,796.32 307.41,801.24 284.77,801.24 ; 897.23,994.97 972.1,994.97 984.6,994.97 995.23,1005.6 ; 1167.97,1007.46 1167.97,994.09 1178.6,983.46 1200.6,983.46
  text "MICROTRACK" at 1824.8,556.1 h36 r90
  text "DSP_BRIDGE" at 1884.84,556.1 h36 r90
  text "LLEB1120" at 1770.67,554.1 h24 r90
Bottom Overlay:
  text "TX0_232 /  / CANH /  / 485B /  / ADIN" at 1574.8,571.85 h24
  text "RX0_232 /  / CANL /  / 485A /  / 1WP" at 1881.89,571.85 h24
Mechanical 1:
  lines w5: -787.4,-423.39 -787.4,-403.39 ; -751.4,-425.39 -787.4,-413.39 ; -751.4,-401.39 -787.4,-413.39 ; 504.37,-413.39 -787.4,-413.39 ; 893.27,-413.39 2185.04,-413.39 ; 2149.04,-425.39 2185.04,-413.39 ; 2149.04,-401.39 2185.04,-413.39 ; 2185.04,-423.39 2185.04,-403.39 ; 2369.89,-180.54 2381.89,-216.54 ; 2369.89,1519.12 2381.89,1555.12 ; 2371.89,-216.54 2391.89,-216.54 ; 2371.89,1555.12 2391.89,1555.12 ; 2381.89,478.61 2381.89,-216.54 ; 2381.89,859.97 2381.89,1555.12 ; 2393.89,-180.54 2381.89,-216.54 ; 2393.89,1519.12 2381.89,1555.12
  text "1771.653 (mil)" at 2414.31,488.61 h36 r90
  text "2972.441 (mil)" at 514.37,-445.81 h36
Mechanical 2:
  circle w7: c2086.61,252.28 r6
  lines w6: 2086.61,252.28 2328.61,252.28
  text "(0,0)" at 2449.61,235.28 h36
Mechanical 4:
  lines w5: -787.4,0 0,0 0,-216.54 2185.04,-216.54 2185.04,1555.12 -787.36,1555.12 -787.4,0 ; 78.74,-135.11 cw(c78.74,-95.74) 78.74,-56.37 1240.16,-56.37 cw(c1240.16,-95.74) 1240.16,-135.11 78.74,-135.11 ; 1549,-145.35 cw(c1549,-86.29) 1549,-27.24 1726.17,-27.24 cw(c1726.17,-86.29) 1726.17,-145.35 1549,-145.35

## Text inside footprints (layer, text, board x,y; h text height)
BAT1: Top Overlay "+" at 1555.24,1382.02 h60 r180
C1: Top Overlay "+" at -90.55,1070.87 h47.24
C8: Top Overlay "+" at 585.63,1468.29 h47.24 r270